# Altium PCB ZLS_MCU.PcbDoc (part 1 of 5) (continued)
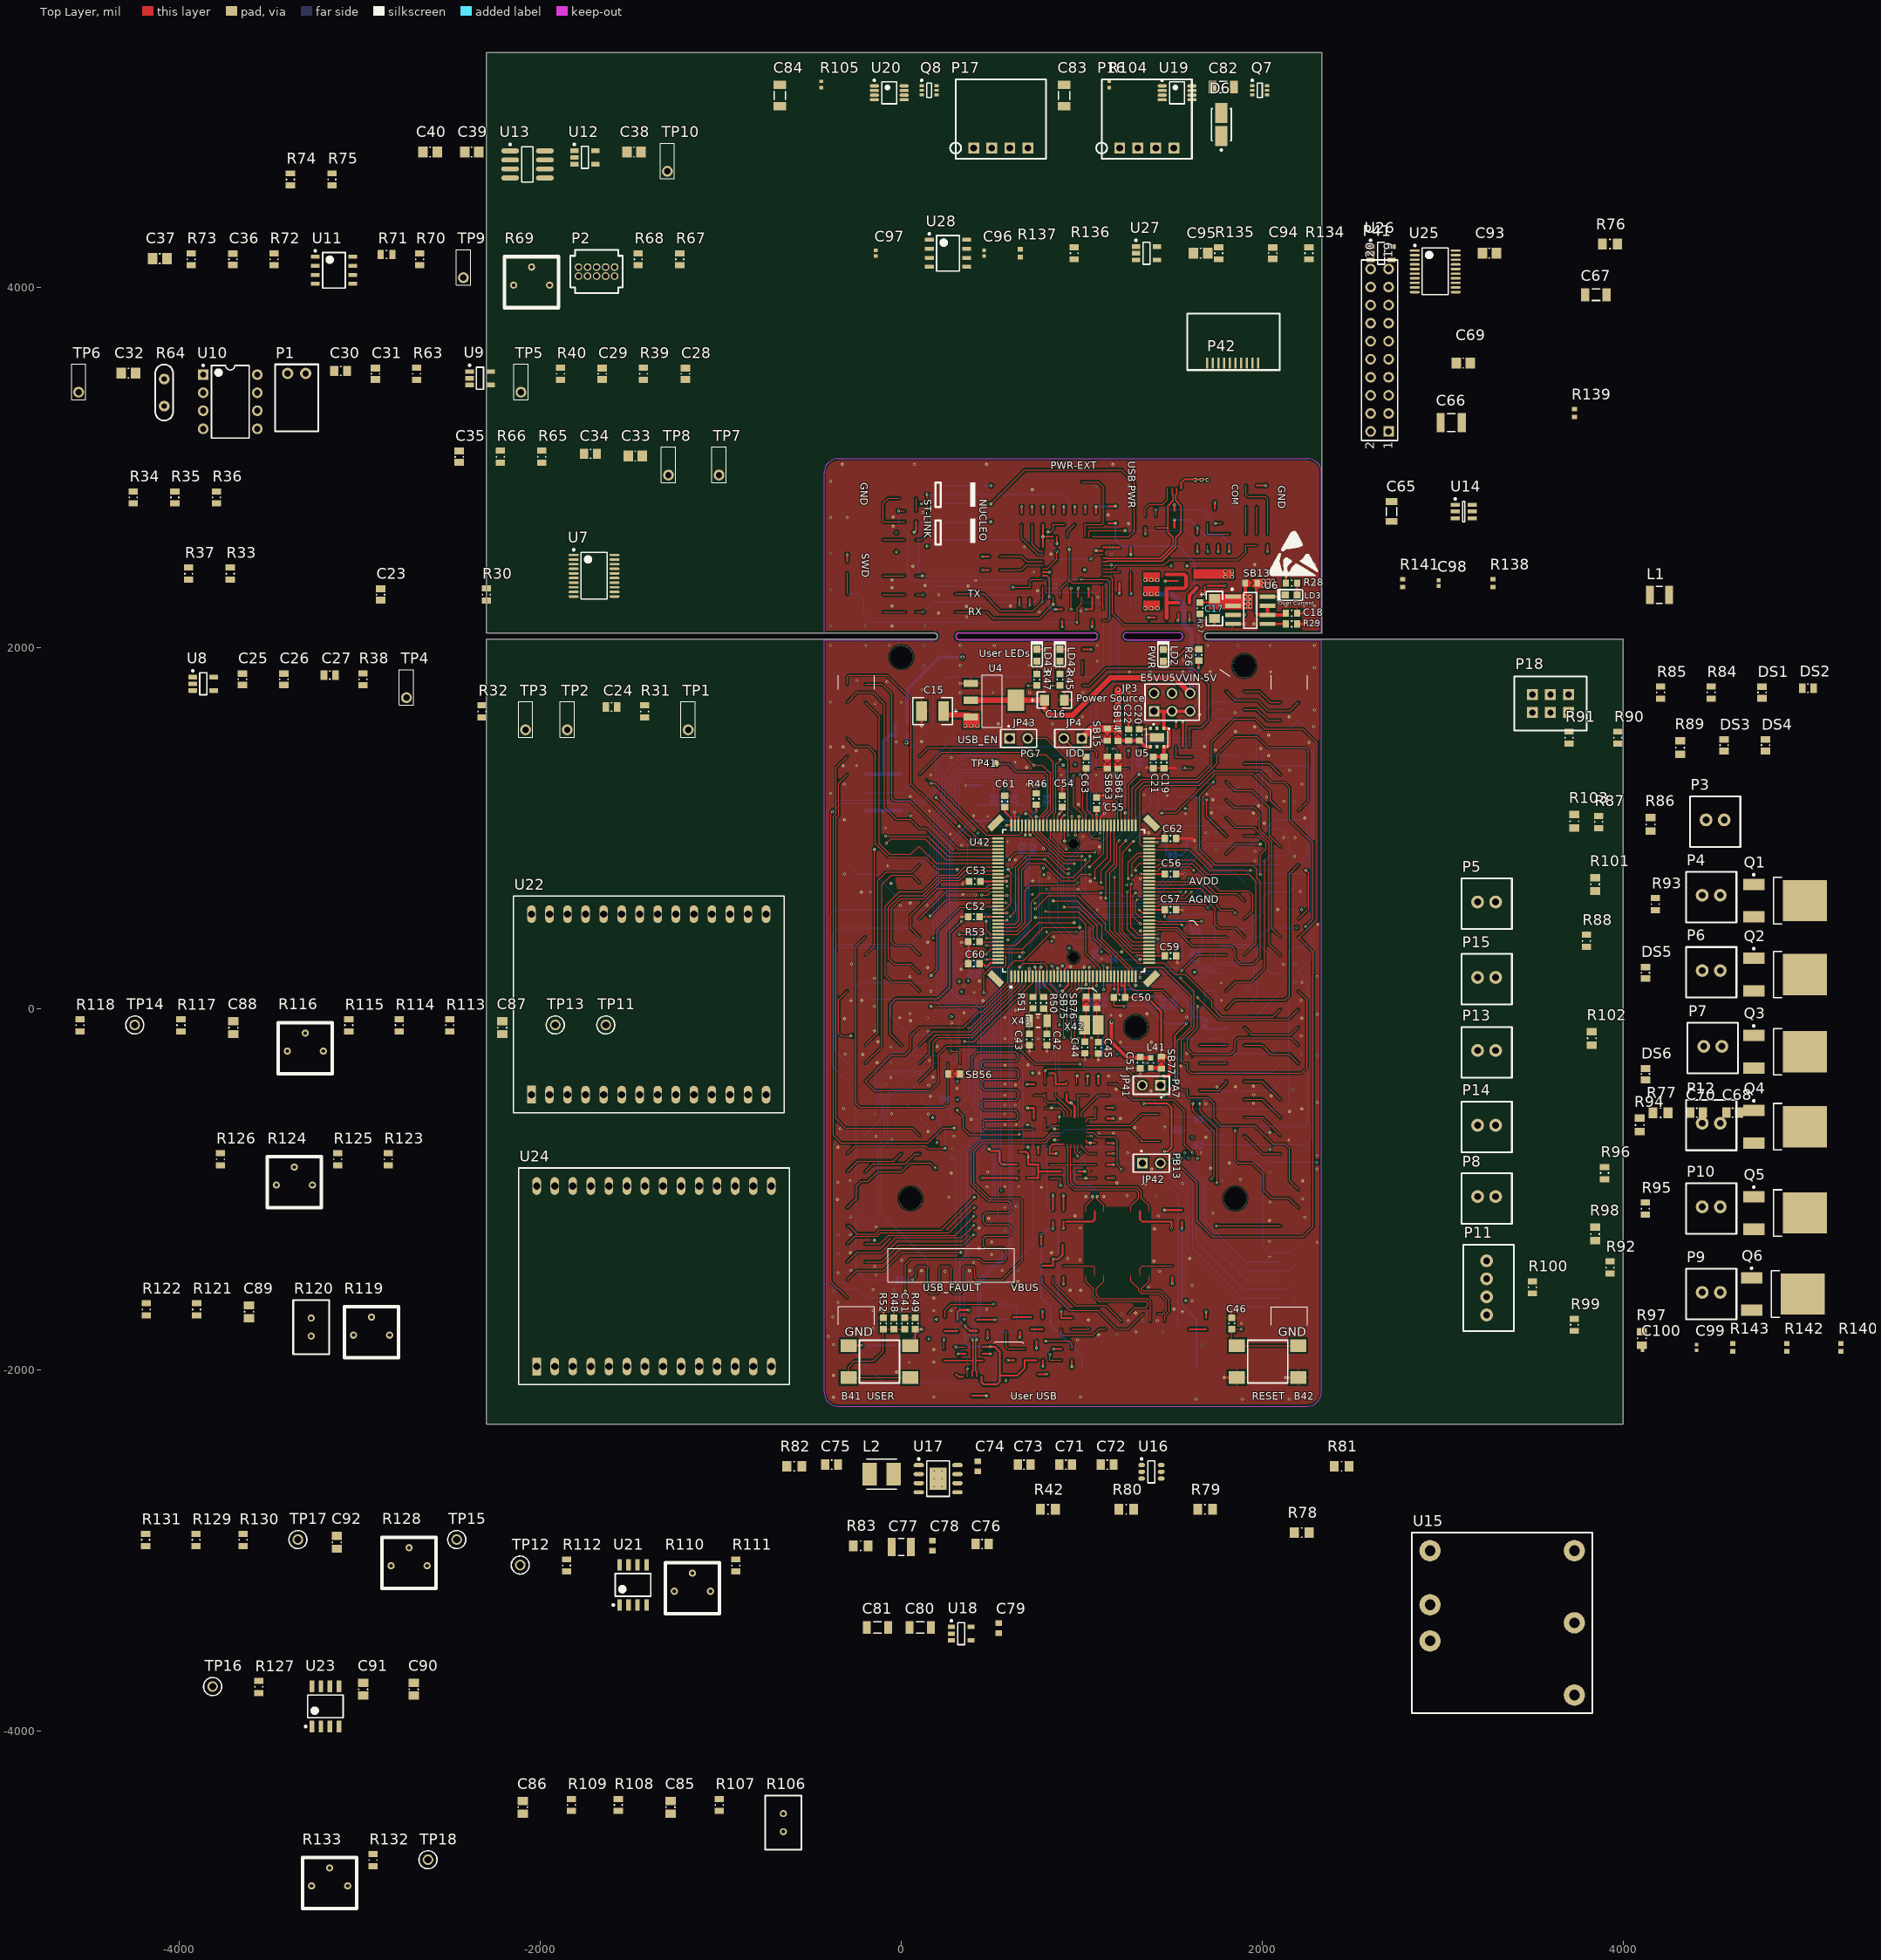
[diagram p0: Top Layer view]
## Components (designator, comment, footprint, x,y, rotation, side; value= is the part's Value field where it differs from the comment) (continued)
JP42 "" HDR_1x2_2R54_V_M_S 1335,-854 r0 top
JP43 "" HDR_1x2_2R54_V_M_S 600,1500 r0 top locked
L1 "47uH" C1210 4200,2294 r0 top
L2 "2.2uH" PA4332 -109.52,-2576.44 r0 top
L41 "BEAD" 0603L 1382,-298 r90 top value=100uH
LD2 "Green" 0603D-G 1451.04,1959.33 r270 top
LD3 "Red" 0603D-R 2160,2294 r0 top
LD42 "Blue" 0603D-B 879,1960 r270 top
LD43 "Red" 0603D-R 751,1960 r270 top
P1 "SSW-102-02-G-S-RA" SSW-102-02-G-S-RA -3401,3521.67 r0 top
P2 "FTSH-105-01-L-D-K" FTSH-105-01-XXX-D-K -1689,4085.67 r0 top
P3 "IPL1-102-01-F-S-K" IPL1-102-01-F-S-K 4509.23,1048.02 r0 top
P4 "IPL1-102-01-F-S-K" IPL1-102-01-F-S-K 4487.57,630.52 r0 top
P5 "IPL1-102-01-F-S-K" IPL1-102-01-F-S-K 3243.07,593.49 r0 top
P6 "IPL1-102-01-F-S-K" IPL1-102-01-F-S-K 4487.57,213.52 r0 top
P7 "IPL1-102-01-F-S-K" IPL1-102-01-F-S-K 4496.57,-206.38 r0 top
P8 "IPL1-102-01-F-S-K" IPL1-102-01-F-S-K 3243.07,-1038.51 r0 top
P9 "IPL1-102-01-F-S-K" IPL1-102-01-F-S-K 4487.57,-1569.34 r0 top
P10 "IPL1-102-01-F-S-K" IPL1-102-01-F-S-K 4487.57,-1095.48 r0 top
P11 "Header 4" IPL1-104-01-L-S-K 3243.07,-1544.51 r90 top
P12 "IPL1-102-01-F-S-K" IPL1-102-01-F-S-K 4487.57,-632.48 r0 top
P13 "IPL1-102-01-F-S-K" IPL1-102-01-F-S-K 3243.07,-229.51 r0 top
P14 "IPL1-102-01-F-S-K" IPL1-102-01-F-S-K 3243.07,-643.51 r0 top
P15 "IPL1-102-01-F-S-K" IPL1-102-01-F-S-K 3243.07,175.49 r0 top
P16 "IPL1-104-01-L-S-RA-K" IPL1-104-01-L-S-RA-K 1209.78,4770 r0 top
P17 "IPL1-104-01-L-S-RA-K" IPL1-104-01-L-S-RA-K 400.79,4770 r0 top
P18 "IPL1-103-01-F-D" IPL1-103-01-F-D 3496.57,1642.49 r0 top
P41 "ST-LINK" HDR2X10 2700,3200 r90 top
P42 "Header 10" FCS8-10-01-L-S-A-TR 1977.75,3579.41 r180 top
Q1 "NTD4804NT4G" ONSC-DPAK-3-369AA-01_V 4896.57,601.22 r0 top
Q2 "NTD4804NT4G" ONSC-DPAK-3-369AA-01_V 4896.57,191.52 r0 top
Q3 "NTD4804NT4G" ONSC-DPAK-3-369AA-01_V 4896.57,-236.48 r0 top
Q4 "NTD4804NT4G" ONSC-DPAK-3-369AA-01_V 4896.57,-651.48 r0 top
Q5 "NTD4804NT4G" ONSC-DPAK-3-369AA-01_V 4896.57,-1129.48 r0 top
Q6 "NTD4804NT4G" ONSC-DPAK-3-369AA-01_V 4884.57,-1578.51 r0 top
Q7 "MCH6336-TL-E" ONSC-MCPH-6_V 1985.79,5090 r0 top
Q8 "MCH6336-TL-E" ONSC-MCPH-6_V 153.79,5090 r0 top
R26 "1K" 0603R 1648,1962 r270 top value=10K
R27 "10K" 0603R 1655,2221 r270 top
R28 "1K" 0603R 2162,2360 r0 top
R29 "2K7" 0603R 2162,2134 r180 top value=10K
R30 "300k" RESC0805(2012)_L -2299.46,2296.83 r90 top
R31 "100k" RESC0805(2012)_L -1422.63,1649.16 r90 top
R32 "18.2k" RESC0805(2012)_L -2323.63,1649.16 r90 top
R33 "511k" RESC0805(2012)_L -3719,2412.31 r90 top
R34 "100k" RESC0805(2012)_L -4256,2834.67 r90 top
R35 "100k" RESC0805(2012)_L -4026,2834.67 r90 top
R36 "100k" RESC0805(2012)_L -3796,2834.67 r90 top
R37 "0" RESC0805(2012)_L -3949,2412.31 r90 top
R38 "100k" RESC0805(2012)_L -2983.63,1827.14 r90 top
R39 "DNP" RESC0805(2012)_L -1429,3519.67 r90 top value=0
R40 "33k" RESC0805(2012)_L -1889,3519.67 r90 top
R42 "10K" RESC0805(2012)_M 812.07,-2771 r0 top value=1K
R44 "100K" 0603R 1634,373 r0 bottom value=1K
R45 "680" 0603R 878,1824 r90 top value=1K
R46 "10K" 0603R 747,1164 r90 top
R47 "1K" 0603R 750.75,1823.97 r90 top
R48 "330" 0603R -41,-1742 r90 top value=1K
R49 "100" 0603R 77,-1742 r90 top value=1K
R50 "0" 0603R 788,35 r90 top value=1K
R51 "0" 0603R 729,35.25 r90 top value=1K
R52 "220K" 0603R -100,-1742 r90 top value=1K
R53 "10K" 0603R 402,373 r180 top value=1K
R63 "100k" RESC0805(2012)_L -2686,3519.67 r90 top
R64 "TBD" VH102K -4085,3340.67 r90 top
R65 "3.9k" RESC0805(2012)_L -1992.63,3060.32 r90 top
R66 "7.5k" RESC0805(2012)_L -2221.63,3060.32 r90 top
R67 "0" RESC0805(2012)_L -1228,4153.67 r90 top
R68 "DNP" RESC0805(2012)_L -1458,4153.67 r90 top value=0
R69 "TRIMMER 5K OHM 0.25W PC PIN" "Trimmer 2.54" -2149,4010.67 r0 top
R70 "7.5k" RESC0805(2012)_L -2669,4153.67 r90 top
R71 "DNP" RESC0805(2012)_L -2853,4179.67 r0 top value=0
R72 "3.9k" RESC0805(2012)_L -3477,4153.67 r90 top
R73 "0" RESC0805(2012)_L -3936,4153.67 r90 top
R74 "1M" RESC0805(2012)_L -3385.8,4596.27 r90 top
R75 "1M" RESC0805(2012)_L -3155.8,4596.27 r90 top
R76 "RES SMD 280K OHM 1% 1/8W 0805" RESC0805(2012)_M 3926.1,4238.31 r0 top
R77 "RES SMD 10K OHM 1% 1/8W 0805" RESC0805(2012)_M 4206.73,-574.15 r0 top
R78 "DNP" RESC0805(2012)_M 2218.48,-2900 r0 top
R79 "DNP" RESC0805(2012)_M 1683.07,-2771 r0 top
R80 "RES SMD 100K OHM 1% 1/8W 0805" RESC0805(2012)_M 1246.07,-2771 r0 top
R81 "DNP" RESC0805(2012)_M 2439.48,-2533.44 r0 top
R82 "88.7K" RESC0805(2012)_M -593.52,-2533.44 r0 top
R83 "22.1K" RESC0805(2012)_M -225.52,-2973.32 r0 top
R84 "" RESC0805(2012)_L 4487.57,1753.98 r90 top
R85 "" RESC0805(2012)_L 4207.57,1753.98 r90 top
R86 "6K98 1% 0805(2012)" RESC0805(2012)_N 4151.47,1023.29 r90 top
R87 "" RESC0805(2012)_L 3863.47,1036.29 r90 top
R88 "" RESC0805(2012)_L 3796.57,378.02 r90 top
R89 "6K98 1% 0805(2012)" RESC0805(2012)_N 4315.26,1448.52 r90 top
R90 "" RESC0805(2012)_L 3970,1503.54 r90 top
R91 "" RESC0805(2012)_L 3700,1503.54 r90 top
R92 "" RESC0805(2012)_L 3926.1,-1431.48 r90 top
R93 "" RESC0805(2012)_L 4178.05,581.51 r90 top
R94 "6K98 1% 0805(2012)" RESC0805(2012)_N 4091.48,-641.98 r90 top
R95 "" RESC0805(2012)_L 4122.97,-1105.48 r90 top
R96 "" RESC0805(2012)_L 3896.57,-908.73 r90 top
R97 "6K98 1% 0805(2012)" RESC0805(2012)_N 4103.29,-1823.98 r90 top
R98 "6K98 1% 0805(2012)" RESC0805(2012)_N 3843.79,-1245.48 r90 top
R99 "" RESC0805(2012)_L 3729.53,-1749.08 r90 top
R100 "" RESC0805(2012)_L 3496.57,-1541.48 r90 top
R101 "6K98 1% 0805(2012)" RESC0805(2012)_N 3843.79,691.38 r90 top
R102 "6K98 1% 0805(2012)" RESC0805(2012)_N 3826.1,-162.48 r90 top
R103 "6K98 1% 0805(2012)" RESC0805(2012)_N 3729.53,1040.52 r90 top
R104 "560k" RESC0402(1005)_L 1151.79,5122 r90 top
R105 "560k" RESC0402(1005)_L -443.21,5122 r90 top
R106 "KTY81-120" KTY81-120 -654,-4557 r90 top
R107 "10k" RESC0805(2012)_L -1009,-4409 r90 top
R108 "1K" RESC0805(2012)_L -1569,-4409 r90 top
R109 "10k" RESC0805(2012)_L -1828,-4409 r90 top
R110 "100K" "Trimmer 2.54" -1258,-3225.15 r0 top
R111 "24.3K" RESC0805(2012)_L -917,-3082.15 r90 top
R112 "DNP" RESC0805(2012)_L -1856,-3082.15 r90 top
R113 "10k" RESC0805(2012)_L -2502,-90 r90 top
R114 "1.21k" RESC0805(2012)_L -2782,-90 r90 top
R115 "DNP" RESC0805(2012)_L -3062,-90 r90 top
R116 "100K" "Trimmer 2.54" -3403,-233 r0 top
R117 "DNP" RESC0805(2012)_L -3992,-90 r90 top
R118 "10k" RESC0805(2012)_L -4552,-90 r90 top
R119 "500K" "Trimmer 2.54" -3036.07,-1806.5 r0 top
R120 "KTY81-120" KTY81-120 -3270.07,-1811.5 r90 top
R121 "1K" RESC0805(2012)_L -3905.07,-1663.5 r90 top
R122 "10k" RESC0805(2012)_L -4185.07,-1663.5 r90 top
R123 "10k" RESC0805(2012)_L -2843.6,-832 r90 top
R124 "100K" "Trimmer 2.54" -3463.6,-975 r0 top
R125 "24.3K" RESC0805(2012)_L -3123.6,-832 r90 top
R126 "DNP" RESC0805(2012)_L -3773.6,-832 r90 top
R127 "DNP" RESC0805(2012)_L -3560.64,-3754.99 r90 top
R128 "100K" "Trimmer 2.54" -2828,-3084 r0 top
R129 "DNP" RESC0805(2012)_L -3908,-2941 r90 top
R130 "10k" RESC0805(2012)_L -3648,-2941 r90 top
R131 "1.21k" RESC0805(2012)_L -4188,-2941 r90 top
R132 "10k" RESC0805(2012)_L -2927.32,-4714.6 r90 top
R133 "500K" "Trimmer 2.54" -3268.32,-4857.6 r0 top
R134 "100" RESC0805(2012)_L 2258.25,4187.13 r90 top
R135 "47k" RESC0805(2012)_L 1758.25,4187.13 r90 top
R136 "100" RESC0805(2012)_L 958.25,4187.13 r90 top
R137 "" RESC0402(1005)_M 658.25,4187.13 r90 top
R138 "100" RESC0402(1005)_M 3277.3,2360 r90 top
R139 "" RESC0402(1005)_M 3729.53,3302.36 r90 top
R140 "" RESC0402(1005)_M 5206.73,-1874.15 r90 top
R141 "" RESC0402(1005)_M 2777.3,2360 r90 top
R142 "" RESC0402(1005)_M 4906.73,-1874.15 r90 top
R143 "" RESC0402(1005)_M 4606.73,-1874.15 r90 top
SB13 "Open" SB_0603 1939,2360 r180 top
SB14 "Closed" SB_0603 1200,1519 r270 top
SB15 "Closed" SB_0603 1141,1520 r90 top locked
SB55 "Open" SB_0603 1529,-672 r180 bottom
SB56 "Closed" SB_0603 292,-359 r0 top
SB57 "Open" SB_0603 1634,432 r0 bottom locked
SB58 "Closed" SB_0603 1062,36 r270 bottom
SB59 "Open" SB_0603 1634,314 r0 bottom locked
SB60 "Closed" SB_0603 402.25,427 r0 bottom
SB61 "Closed" SB_0603 1200,1366.25 r90 top
SB62 "Circuit Breaker" SB_0603 806,1164 r90 bottom
SB63 "Closed" SB_0603 1141,1366.25 r90 top
SB64 "Circuit Breaker" SB_0603 628.42,1164 r90 bottom
SB65 "Closed" SB_0603 728,891.75 r270 bottom
SB66 "Closed" SB_0603 668.57,891.75 r270 bottom
SB67 "Closed" SB_0603 1318,1366.25 r270 bottom
SB68 "Closed" SB_0603 1121,35.81 r270 bottom
SB69 "Closed" SB_0603 1647,-613 r180 bottom
SB70 "Closed" SB_0603 1647,-755 r180 bottom
SB71 "Closed" SB_0603 242,-500 r0 bottom
SB72 "Closed" SB_0603 -8,-1600 r180 bottom
SB73 "Closed" SB_0603 -8,-1500 r180 bottom
SB74 "Closed" SB_0603 1072.7,305 r90 bottom
SB75 "Open" SB_0603 1024,36 r270 top locked
SB76 "Open" SB_0603 1083,36 r270 top locked
SB77 "Closed" SB_0603 1440,-296.55 r270 top
SB78 "Circuit Breaker" SB_0603 511,1164 r270 bottom
SB79 "Circuit Breaker" SB_0603 570,1164 r270 bottom
SB80 "Closed" SB_0603 779.7,137 r0 bottom
SB81 "Circuit Breaker" SB_0603 1502,853 r180 bottom
SB82 "Circuit Breaker" SB_0603 401.94,192.83 r0 bottom
SB83 "Circuit Breaker" SB_0603 401.94,251.83 r0 bottom
SB84 "Closed" SB_0603 1172,276 r0 bottom
SB85 "Circuit Breaker" SB_0603 1450,35.7 r90 bottom
SB86 "Circuit Breaker" SB_0603 1509,35.7 r90 bottom
SB87 "Closed" SB_0603 1680,-79 r270 bottom
TP1 "TP-TH-C-152-H90" TP-TH-C-152-H90 -1181.63,1547.16 r90 top
TP2 "TP-TH-C-152-H90" TP-TH-C-152-H90 -1851.63,1547.16 r90 top
TP3 "TP-TH-C-152-H90" TP-TH-C-152-H90 -2082.63,1547.16 r90 top
TP4 "TP-TH-C-152-H90" TP-TH-C-152-H90 -2742.63,1725.14 r90 top
TP5 "TP-TH-C-152-H90" TP-TH-C-152-H90 -2108,3417.67 r90 top
TP6 "TP-TH-C-152-H90" TP-TH-C-152-H90 -4559,3417.67 r90 top
TP7 "TP-TH-C-152-H90" TP-TH-C-152-H90 -1010.63,2958.32 r90 top
TP8 "TP-TH-C-152-H90" TP-TH-C-152-H90 -1290.63,2958.32 r90 top
TP9 "TP-TH-C-152-H90" TP-TH-C-152-H90 -2427,4051.67 r90 top
TP10 "TP-TH-C-152-H90" TP-TH-C-152-H90 -1296.9,4641.34 r90 top
TP11 "DNP" KSTN-5003 -1638,-88 r90 top
TP12 "DNP" KSTN-5003 -2112,-3080.15 r90 top
TP13 "DNP" KSTN-5003 -1918,-88 r90 top
TP14 "DNP" KSTN-5003 -4248,-88 r90 top
TP15 "DNP" KSTN-5003 -2464,-2939 r90 top
TP16 "DNP" KSTN-5003 -3816.64,-3752.99 r90 top
TP17 "DNP" KSTN-5003 -3344,-2939 r0 top
TP18 "DNP" KSTN-5003 -2623.32,-4712.6 r90 top
TP41 "USB_SOF" TP 522,1361 r0 top
U4 "LD1117S50TR" SOT-223 510,1711 r0 top
U5 "LD39050PU33R" DFN6_0R95_3x3_TP 1417,1504 r180 top
U6 "ST890CDR" SOIC8_1R27_4R9X6 1933,2209 r0 top locked
U7 "MAX333CWP+" TSOP65P640X90-20N -1702.94,2400.79 r0 top
U8 "OPA188AIDBVR" DBV0005A_M -3868.63,1802.14 r0 top
U9 "OPA188AIDBVR" DBV0005A_M -2335,3494.67 r0 top
U10 "AD584KNZ" ADI-N-8 -3719,3364.67 r0 top
U11 "OPA2188AIDR" D0008A_L -3144,4092.67 r0 top
U12 "OPA188AIDBVR" DBV0005A_M -1753.9,4718.34 r0 top
U13 "ADR4550BRZ-R7" ADI-R-8_M -2071.9,4679.34 r0 top
U14 "LT3461" LT-S6-6-TSOT-23_N 3116.33,2756.2 r0 top
U15 "CCG30-24-12S" PXB15-24WD05/N 3729.53,-3400 r0 top
U16 "LM2776DBVR" LM2776DBVR 1385.48,-2563.44 r0 top
U17 "LMR23625CFDDAR" LMR23625CDDAR 203.48,-2601.44 r0 top
U18 "TLV70233DBVR" DBV0005A_N 331.53,-3460.04 r0 top
U19 "LTC4414EMS8#TRPBF" LT-MS8-8_L 1527.79,5076 r0 top
U20 "LTC4414EMS8#TRPBF" LT-MS8-8_L -67.21,5076 r0 top
U21 "LPC662AIM" D0008A_M -1487,-3190.15 r90 top
U22 "SA40012" SA40012 -2050,-474 r90 top
U23 "LPC662AIM" D0008A_M -3191.64,-3862.99 r90 top
U24 "SA40012" SA40012 -2021,-1980 r90 top
U25 "MAX333CWP+" TSOP65P640X90-20N 2958.25,4087.13 r0 top
U26 "OPA188AIDBVR" DBV0005A_M 2658.25,4187.13 r0 top
U27 "OPA188AIDBVR" DBV0005A_M 1358.25,4187.13 r0 top
U28 "LMC662CM" D0008A_L 258.25,4187.13 r0 top
U42 "MCU_LQFP144" LQFP144_0R5_SKT 954,600 r0 top locked
X41 "NX3215SA-32.768KHZ-EXS00A-MU00525" XTAL_2SM_3R2X1R5 758,-65 r180 top
X42 "NX3225GD-8.000M-EXS00A-CG04874[N/A]" OSC_2SM_3R2x2R5 1053,-88 r180 top

## Footprints (in the part's own frame and the unit in brackets; to place one, negate y for a bottom-side part, rotate by r counter-clockwise, add the part's x,y. Pads: shape width x height; smd on the part's side, far side on the other; paste and mask are expansions set on the pad)
0603C [mm] "Chip Capacitor, Body 1.6x0.8mm, Height 1.0mm, IPC Medium Density"
  rect 0.9x1 smd: 1(-0.8,0) 2(0.8,0)
  silkscreen extent -0.05,-0.4 0.05,0.4, body extent -0.87,-0.48 0.88,0.47, height 1
0603D-B [mm] "LED, SMT, Body 1.6 x 0.8 mm, 0.25mm Thickness"
  rect 1x1 smd paste+0 mask+0: 1(0.85,0) 2(-0.85,0)
  silkscreen extent -1.99,-0.85 1.6,0.85, body extent -0.8,-0.4 0.8,0.4, height 0.25
0603D-G [mm] "LED, SMT, Body 1.6 x 0.8 mm, 0.25mm Thickness"
  rect 1x1 smd paste+0 mask+0: 1(0.85,0) 2(-0.85,0)
  silkscreen extent -1.98,-0.85 1.6,0.85, body extent -0.8,-0.4 0.8,0.4, height 0.25
0603D-R [mm] "LED, SMT, Body 1.6 x 0.8 mm, 0.25mm Thickness"
  rect 1x1 smd paste+0 mask+0: 1(0.85,0) 2(-0.85,0)
  silkscreen extent -1.97,-0.86 1.6,0.84, body extent -0.8,-0.4 0.8,0.4, height 0.25
0603L [mil] "Bead 0603L"
  rect 30x30 smd: 1(27.5,0) 2(-27.5,0)
  silkscreen extent -2,-16 2,16, body extent -34,-19 34,19, height 24
0603R [mm] "Chip Resistor, Body 1.6x0.8mm, IPC Medium Density"
  rect 0.9x1 smd: 1(-0.8,0) 2(0.8,0)
  silkscreen extent -0.05,-0.4 0.05,0.4, body extent -0.85,-0.47 0.85,0.47, height 0.6
0805C_L [mm]
  rect 0.95x1.35 smd: 1(-0.8,0) 2(0.8,0)
  silkscreen extent -0.05,-0.58 0.05,0.58, body extent -1.1,-0.72 1.1,0.72, height 0.75
1608[0603] [mm] "Chip Capacitor, Body 1.6x0.8mm, IPC High Density"
  rect 0.8x0.9 smd: 1(-0.7,0) 2(0.7,0)
  body extent -0.87,-0.48 0.87,0.48, height 1.3
ADI-N-8 [mm] "DIP, 8-Leads, Body 9.59x6.6mm, Pitch 2.54mm"
  rect 1.5x1.5 hole 0.9: 1(-3.81,3.81)
  round 1.5 hole 0.9: 2(-3.81,1.27) 3(-3.81,-1.27) 4(-3.81,-3.81) 5(3.81,-3.81) 6(3.81,-1.27) 7(3.81,1.27) 8(3.81,3.81)
  silkscreen extent -3.93,-5.1 2.65,5.23, body extent -3.95,-5.07 3.95,5.07, height 5.33
ADI-R-8_M [mm] "SOIC, 8-Leads, Body 4.9x3.9mm, Pitch 1.27mm, IPC Low Density"
  oval 2.5x0.7 smd: 1(-2.45,1.905) 2(-2.45,0.635) 3(-2.45,-0.635) 4(-2.45,-1.905) 5(2.45,-1.905) 6(2.45,-0.635) 7(2.45,0.635) 8(2.45,1.905)
  silkscreen extent -2.57,-2.5 0.8,2.93, body extent -2,-2.5 2,2.5, height 1.75
C1210 [mm] "Chip Capacitor, Body 3.2x2.5mm, IPC High Density"
  rect 1.1x2.6 smd: 1(-1.35,0) 2(1.35,0)
  silkscreen extent -0.4,-1.2 0.4,1.2, body extent -1.7,-1.35 1.7,1.35, height 1.3
CAPC0402(1005)60_L [mm] "Chip Capacitor, Body 1.0x0.5mm, Height 0.6mm, IPC High Density"
  rect 0.52x0.52 smd: 1(-0.4,0) 2(0.4,0)
  body extent -0.55,-0.3 0.55,0.3, height 0.6
CAPC0805(2012)75_L [mm] "Chip Capacitor, Body 2.0x1.2mm, Height 0.75mm, IPC High Density"
  rect 0.95x1.35 smd: 1(-0.8,0) 2(0.8,0)
  silkscreen extent -0.05,-0.58 0.05,0.58, body extent -1.1,-0.72 1.1,0.72, height 0.75
CAPC0805(2012)75_M [mm] "Chip Capacitor, Body 2.0x1.2mm, Height 0.75mm, IPC Low Density"
  rect 1.35x1.55 smd: 1(-1,0) 2(1,0)
  silkscreen extent -0.05,-0.67 0.05,0.67, body extent -1.1,-0.72 1.1,0.72, height 0.75
CAPC0805(2012)145_M [mm] "Chip Capacitor, Body 2.0x1.2mm, Height 1.45mm, IPC Low Density"
  rect 1.35x1.55 smd: 1(-1,0) 2(1,0)
  silkscreen extent -0.05,-0.67 0.05,0.67, body extent -1.1,-0.72 1.1,0.72, height 1.45
CAPC0805(2012)145_N [mm] "Chip Capacitor, Body 2.0x1.2mm, Height 1.45mm, IPC Medium Density"
  rect 1.15x1.45 smd: 1(-0.9,0) 2(0.9,0)
  silkscreen extent -0.05,-0.62 0.05,0.63, body extent -1.1,-0.72 1.1,0.73, height 1.45
CAPC0805(2012)155_L [mm] "Chip Capacitor, Body 2.0x1.2mm, Height 1.55mm, IPC High Density"
  rect 0.95x1.35 smd: 1(-0.8,0) 2(0.8,0)
  silkscreen extent -0.05,-0.58 0.05,0.58, body extent -1.1,-0.72 1.1,0.72, height 1.55
CAPC1206(3216)130_N [mm] "Chip Capacitor, Body 3.2x1.6mm, Height 1.3mm, IPC Medium Density"
  rect 1.15x1.8 smd: 1(-1.5,0) 2(1.5,0)
  silkscreen extent -0.55,-0.8 0.55,0.8, body extent -1.7,-0.9 1.7,0.9, height 1.3
CAPC1206(3216)170_L [mm] "Chip Capacitor, Body 3.2x1.6mm, Height 1.7mm, IPC High Density"
  rect 0.95x1.7 smd: 1(-1.4,0) 2(1.4,0)
  silkscreen extent -0.55,-0.75 0.55,0.75, body extent -1.7,-0.9 1.7,0.9, height 1.7
CAPC1206(3216)190_N [mm] "Chip Capacitor, Body 3.2x1.6mm, Height 1.9mm, IPC Medium Density"
  rect 1.15x1.8 smd: 1(-1.5,0) 2(1.5,0)
  silkscreen extent -0.55,-0.8 0.55,0.8, body extent -1.7,-0.9 1.7,0.9, height 1.9
CAPC1210(3225)100_N [mm] "Chip Capacitor, Body 3.2x2.5mm, Height 1mm, IPC Medium Density"
  rect 1.15x2.7 smd: 1(-1.5,0) 2(1.5,0)
  silkscreen extent -0.55,-1.25 0.55,1.25, body extent -1.7,-1.35 1.7,1.35, height 1
D0008A_L [mm] "SOIC, 8-Leads, Body 5x4mm, Pitch 1.27mm, IPC High Density"
  rrect18% 1.25x0.55 smd: 1(-2.625,1.905) 2(-2.625,0.635) 3(-2.625,-0.635) 4(-2.625,-1.905) 5(2.625,-1.905) 6(2.625,-0.635) 7(2.625,0.635) 8(2.625,1.905)
  silkscreen extent -2.75,-2.5 1.6,2.85, body extent -3,-2.45 3,2.45, height 1.63
D0008A_M [mm] "SOIC, 8-Leads, Body 5x4mm, Pitch 1.27mm, IPC Low Density"
  rrect15% 1.65x0.65 smd: 1(-2.825,1.905) 2(-2.825,0.635) 3(-2.825,-0.635) 4(-2.825,-1.905) 5(2.825,-1.905) 6(2.825,-0.635) 7(2.825,0.635) 8(2.825,1.905)
  silkscreen extent -2.95,-2.5 1.6,2.9, body extent -3,-2.45 3,2.45, height 1.63
DBV0005A_M [mm] "SOT23, 5-Leads, Body 3.05x1.75mm, Pitch 0.95mm, IPC Low Density"
  rrect15% 1.2x0.65 smd: 1(-1.475,0.95) 2(-1.475,0) 3(-1.475,-0.95) 4(1.475,-0.95) 5(1.475,0.95)
  silkscreen extent -1.6,-1.55 0.5,1.95, body extent -1.42,-1.46 1.42,1.46, height 1.08
DBV0005A_N [mm] "SOT23, 5-Leads, Body 3.05x1.75mm, Pitch 0.95mm, IPC Medium Density"
  rrect17% 1x0.6 smd: 1(-1.375,0.95) 2(-1.375,0) 3(-1.375,-0.95) 4(1.375,-0.95) 5(1.375,0.95)
  silkscreen extent -1.5,-1.55 0.5,1.92, body extent -1.42,-1.46 1.42,1.46, height 1.08
DFN6_0R95_3x3_TP [mm] "500 mA low quiescent current and low noise voltage regulator"
  rect 2x1.2 smd: 0(0,0)
  rect 0.45x0.5 smd: 1(-0.95,-1.3) 2(0,-1.3) 3(0.95,-1.3) 4(0.95,1.3) 5(0,1.3) 6(-0.95,1.3)
  silkscreen extent -1.71,-1.33 1.5,1.3, body extent -1.5,-1.5 1.5,1.5, height 1
FCS8-10-01-L-S-A-TR [mm] "CONN MULTI-PURP RCPT 10P R/A SMD"
  rect 0.3x1.524 smd: 1(0,0) 2(0.8,0) 3(1.6,0) 4(2.4,0) 5(3.2,0) 6(4,0) 7(4.8,0) 8(5.6,0) 9(6.4,0) 10(7.2,0)
  silkscreen extent -3,-6.95 10,1
FTSH-105-01-XXX-D-K [mil]
  round 42 hole 28 mask+3: 1(-100,-25) 2(-100,25) 3(-50,-25) 4(-50,25) 5(0,-25) 6(0,25) 7(50,-25) 8(50,25) 9(100,-25) 10(100,25)
  silkscreen extent -145,-120 145,120
HDR2X10 [mm] "Connector; Header; 10x2 Position"
  rect 1.5x1.5 hole 0.9: 1(0,0)
  round 1.5 hole 0.9: 2(0,2.54) 3(2.54,0) 4(2.54,2.54) 5(5.08,0) 6(5.08,2.54) 7(7.62,0) 8(7.62,2.54) 9(10.16,0) 10(10.16,2.54) 11(12.7,0) 12(12.7,2.54) 13(15.24,0) 14(15.24,2.54) 15(17.78,0) 16(17.78,2.54) 17(20.32,0) 18(20.32,2.54) 19(22.86,0) 20(22.86,2.54)
  silkscreen extent -1.27,-1.27 24.13,3.81
HDR_1x2_2R54_V_M_S [mm] "Male Header, Pitch 2.54mm, 4x1 Position, Mated Height 6mm, Tail Length 3mm"
  rect 1.5x1.5 hole 1.02: 1(0,0)
  round 1.5 hole 1.02: 2(2.54,0)
  silkscreen extent -1.27,-1.27 3.81,1.76, body extent -1.27,-1.27 3.81,1.27, height 9
HDR_3x2_2R54_V_M [mm] "Male Header, Pitch 2.54mm, 2x3 Position, Mated Height 6mm, Tail Length 3mm"
  rect 1.5x1.5 hole 1.02: 1(0,0)
  round 1.5 hole 1.02: 2(0,2.54) 3(2.54,0) 4(2.54,2.54) 5(5.08,0) 6(5.08,2.54)
  silkscreen extent -1.27,-1.89 6.35,3.81, body extent -1.27,-1.27 6.35,3.81, height 9
IPL1-102-01-F-S-K [mm]
  round 1.8 hole 0.95: 1(-1.27,0) 2(1.27,0)
  silkscreen extent -3.56,-3.81 3.56,3.3, body extent -3.3,-3.56 3.3,3.05, height 8.13
IPL1-103-01-F-D [mil]
  rect 60x60 hole 35.43: 1(0,0) 2(0,100) 3(100,0) 4(100,100) 5(200,0) 6(200,100)
  silkscreen extent -100,-100 300,200, body extent -100,-100 280,210, height 320
IPL1-104-01-L-S-K [mm]
  round 1.8 hole 0.95: 1(-3.81,0) 2(-1.27,0) 3(1.27,0) 4(3.81,0)
  silkscreen extent -6.1,-3.81 6.1,3.3, body extent -5.84,-3.3 5.84,3.3, height 8.13
IPL1-104-01-L-S-RA-K [mil]
  rect 60x60 hole 37.4: 1(0,0) 2(100,0) 3(200,0) 4(300,0)
  silkscreen extent -130,-59 400,380, body extent -80,-12 380,380, height 258
KSTN-5003 [mm] "Test Point, Through Hole, Dia 2.54mm"
  round 1.5 hole 1: 1(0,0)
  silkscreen extent -1.27,-1.27 1.27,1.27, body extent -1.27,-1.27 1.27,1.27, height 4.57
KTY81-120 [mm] "THERMISTOR"
  round 1 hole 0.55: 1(0,0) 2(2.54,0)
  silkscreen extent -2.54,-2.54 5.08,2.54
LM2776DBVR [mm]
  oval 0.95x0.6 smd: 1(-1.375,0.95) 2(-1.375,0) 3(-1.375,-0.95) 4(1.375,-0.95) 5(1.375,0) 6(1.375,0.95)
  silkscreen extent -1.5,-1.55 0.5,1.92, body extent -1.39,-1.55 1.39,1.55, height 1.45
LMR23625CDDAR [mm] "IC REG BUCK ADJ 2.5A SYNC 8SOPWR"
  oval 1.45x0.6 smd: 1(-2.725,1.905) 2(-2.725,0.635) 3(-2.725,-0.635) 4(-2.725,-1.905) 5(2.725,-1.905) 6(2.725,-0.635) 7(2.725,0.635) 8(2.725,1.905)
  rect 2.4x3.1 smd: 9(0,0)
  silkscreen extent -2.85,-2.5 1.6,2.88, body extent -3,-2.5 3,2.5, height 1.7
LQFP144_0R5_SKT [mm] "32-bit MCU ARM-based Cortex-M3 20 X 20mm, 0.5mm Pitch, 1.6mm Max thickness"
  rect 1x2.5 smd rot 45: 0(-10.96,-10.96) 0(10.96,10.96)
  rect 1x2.5 smd rot 135: 0(-10.96,10.96) 0(10.96,-10.96)
  round 1.5 hole 1.5 unplated: 0(0,-8) 0(0,8)
  rect 0.3x1.65 smd: 1(-8.75,-10.625) 2(-8.25,-10.625) 3(-7.75,-10.625) 4(-7.25,-10.625) 5(-6.75,-10.625) 6(-6.25,-10.625) 7(-5.75,-10.625) 8(-5.25,-10.625) 9(-4.75,-10.625) 10(-4.25,-10.625) 11(-3.75,-10.625) 12(-3.25,-10.625) 13(-2.75,-10.625) 14(-2.25,-10.625) 15(-1.75,-10.625) 16(-1.25,-10.625) 17(-0.75,-10.625) 18(-0.25,-10.625) 19(0.25,-10.625) 20(0.75,-10.625) 21(1.25,-10.625) 22(1.75,-10.625) 23(2.25,-10.625) 24(2.75,-10.625) 25(3.25,-10.625) 26(3.75,-10.625) 27(4.25,-10.625) 28(4.75,-10.625) 29(5.25,-10.625) 30(5.75,-10.625) 31(6.25,-10.625) 32(6.75,-10.625) 33(7.25,-10.625) 34(7.75,-10.625) 35(8.25,-10.625) 36(8.75,-10.625) 73(8.75,10.625) 74(8.25,10.625) 75(7.75,10.625) 76(7.25,10.625) 77(6.75,10.625) 78(6.25,10.625) 79(5.75,10.625) 80(5.25,10.625) 81(4.75,10.625) 82(4.25,10.625) 83(3.75,10.625) 84(3.25,10.625) 85(2.75,10.625) 86(2.25,10.625) 87(1.75,10.625) 88(1.25,10.625) 89(0.75,10.625) 90(0.25,10.625) 91(-0.25,10.625) 92(-0.75,10.625) 93(-1.25,10.625) 94(-1.75,10.625) 95(-2.25,10.625) 96(-2.75,10.625) 97(-3.25,10.625) 98(-3.75,10.625) 99(-4.25,10.625) 100(-4.75,10.625) 101(-5.25,10.625) 102(-5.75,10.625) 103(-6.25,10.625) 104(-6.75,10.625) 105(-7.25,10.625) 106(-7.75,10.625) 107(-8.25,10.625) 108(-8.75,10.625)
  rect 1.65x0.3 smd: 37(10.625,-8.75) 38(10.625,-8.25) 39(10.625,-7.75) 40(10.625,-7.25) 41(10.625,-6.75) 42(10.625,-6.25) 43(10.625,-5.75) 44(10.625,-5.25) 45(10.625,-4.75) 46(10.625,-4.25) 47(10.625,-3.75) 48(10.625,-3.25) 49(10.625,-2.75) 50(10.625,-2.25) 51(10.625,-1.75) 52(10.625,-1.25) 53(10.625,-0.75) 54(10.625,-0.25) 55(10.625,0.25) 56(10.625,0.75) 57(10.625,1.25) 58(10.625,1.75) 59(10.625,2.25) 60(10.625,2.75) 61(10.625,3.25) 62(10.625,3.75) 63(10.625,4.25) 64(10.625,4.75) 65(10.625,5.25) 66(10.625,5.75) 67(10.625,6.25) 68(10.625,6.75) 69(10.625,7.25) 70(10.625,7.75) 71(10.625,8.25) 72(10.625,8.75) 109(-10.625,8.75) 110(-10.625,8.25) 111(-10.625,7.75) 112(-10.625,7.25) 113(-10.625,6.75) 114(-10.625,6.25) 115(-10.625,5.75) 116(-10.625,5.25) 117(-10.625,4.75) 118(-10.625,4.25) 119(-10.625,3.75) 120(-10.625,3.25) 121(-10.625,2.75) 122(-10.625,2.25) 123(-10.625,1.75) 124(-10.625,1.25) 125(-10.625,0.75) 126(-10.625,0.25) 127(-10.625,-0.25) 128(-10.625,-0.75) 129(-10.625,-1.25) 130(-10.625,-1.75) 131(-10.625,-2.25) 132(-10.625,-2.75) 133(-10.625,-3.25) 134(-10.625,-3.75) 135(-10.625,-4.25) 136(-10.625,-4.75) 137(-10.625,-5.25) 138(-10.625,-5.75) 139(-10.625,-6.25) 140(-10.625,-6.75) 141(-10.625,-7.25) 142(-10.625,-7.75) 143(-10.625,-8.25) 144(-10.625,-8.75)
  silkscreen extent -10,-12.27 10,10, body extent -17.11,-17.11 17.11,17.12, height 14.3
LT-MS8-8_L [mm] "SOP, 8-Leads, Body 3.1x3.1mm, Pitch 0.65mm, IPC High Density"
  oval 1.3x0.45 smd: 1(-2.1,0.975) 2(-2.1,0.325) 3(-2.1,-0.325) 4(-2.1,-0.975) 5(2.1,-0.975) 6(2.1,-0.325) 7(2.1,0.325) 8(2.1,0.975)
  silkscreen extent -2.22,-1.55 1.05,1.87, body extent -1.55,-1.55 1.55,1.55, height 1.1
LT-S6-6-TSOT-23_N [mm] "SOT23, 6-Leads, Body 2.9x1.75mm, Pitch 0.95mm, IPC Medium Density"
  rect 1.3x0.55 smd: 1(-1.2,0.95) 2(-1.2,0) 3(-1.2,-0.95) 4(1.2,-0.95) 5(1.2,0) 6(1.2,0.95)
  silkscreen extent -1.32,-1.45 0.15,1.9, body extent -0.87,-1.45 0.87,1.45, height 1
ONSC-DPAK-3-369AA-01_V [mm] "DPAK, 3-Leads, Body 6.54x6.095mm, Pitch 2.29mm"
  rect 3x1.6 smd: 1(-4.4,2.29) 3(-4.4,-2.29)
  rect 6.2x5.8 smd: 4(2.8,0)
  silkscreen extent -4.52,-3.27 -0.45,3.76, body extent -1.6,-3.27 4.49,3.27, height 2.47
ONSC-MCPH-6_V [mm] "SOT23, 6-Leads, Body 2x1.6mm, Pitch 0.65mm"
  rect 0.6x0.4 smd: 1(-1.05,0.65) 2(-1.05,0) 3(-1.05,-0.65) 4(1.05,-0.65) 5(1.05,0) 6(1.05,0.65)
  silkscreen extent -1.17,-1.03 0.35,1.52, body extent -0.8,-1 0.8,1, height 0.9
OSC_2SM_3R2x2R5 [mm] "Crystal 8M Hz 3.2x2.5mm SMD"
  rect 1.5x2.7 smd: 1(-0.95,0) 2(0.95,0)
  body extent -1.6,-1.25 1.6,1.25, height 1
PA4332 [mm] "Precision Wire Wound Inductor, 2-Leads, Body 4.10x3.65mm, IPC Medium Density"
  rect 2x3.2 smd: 1(-1.7,0) 2(1.7,0)
  silkscreen extent -2.1,-2.1 2.1,2.1, body extent -2.15,-1.83 2.15,1.83, height 2.1
PB-6X6mm-Black [mm] "Surface Mounting Type Tact Switch, 4-Leads, Body 6x6mm, Height 4.5mm Black"
  rect 2.3x1.8 smd: 1(4.325,2.25) 2(4.325,-2.25) 3(-4.325,-2.25) 4(-4.325,2.25)
  silkscreen extent -2.83,-3 2.81,3, body extent -3,-3 3,3, height 10.5
PB-6X6mm-Blue [mm] "Surface Mounting Type Tact Switch, 4-Leads, Body 6x6mm, Height 4.5mm,Blue"
  rect 2.3x1.8 smd: 1(4.325,2.25) 2(4.325,-2.25) 3(-4.325,-2.25) 4(-4.325,2.25)
  silkscreen extent -2.83,-3 2.81,3, body extent -3,-3 3,3, height 10.5
PXB15-24WD05/N [mm] "DC-DC CONV 15W DUAL 5V"
  round 3 hole 1.5: 1(-20.32,10.16) 2(-20.32,2.54) 3(-20.32,-2.54) 4(0,-10.16) 5(0,0) 6(0,10.16)
  silkscreen extent -22.86,-12.7 2.54,12.7, body extent -22.99,-12.83 2.67,12.83, height 9.9
RESC0402(1005)_L [mm] "Chip Resistor, Body 1.0x0.5mm, IPC High Density"
  rect 0.45x0.55 smd: 1(-0.45,0) 2(0.45,0)
  body extent -0.52,-0.27 0.53,0.28, height 0.4
RESC0402(1005)_M [mm] "Chip Resistor, Body 1.0x0.5mm, IPC Low Density"
  rect 0.65x0.75 smd: 1(-0.55,0) 2(0.55,0)
  body extent -0.52,-0.28 0.53,0.28, height 0.4
RESC0805(2012)_L [mm] "Chip Resistor, Body 2.0x1.3mm, IPC High Density"
  rect 0.85x1.3 smd: 1(-0.85,0) 2(0.85,0)
  silkscreen extent -0.05,-0.55 0.05,0.55, body extent -1.1,-0.67 1.1,0.68, height 0.7
RESC0805(2012)_M [mm] "Chip Resistor, Body 2.0x1.3mm, IPC Low Density"
  rect 1.25x1.5 smd: 1(-1.05,0) 2(1.05,0)
  silkscreen extent -0.05,-0.65 0.05,0.65, body extent -1.1,-0.67 1.1,0.67, height 0.7
RESC0805(2012)_N [mm] "Chip Resistor, Body 2.0x1.3mm, IPC Medium Density"
  rect 1.05x1.4 smd: 1(-0.95,0) 2(0.95,0)
  silkscreen extent -0.05,-0.6 0.05,0.6, body extent -1.1,-0.67 1.1,0.68, height 0.7
SA40012 [mm]
  rect 2.5x1.2 hole 1.016: 1(0,0)
  oval 2.5x1.2 hole 1.016: 2(0,-2.54) 3(0,-5.08) 4(0,-7.62) 5(0,-10.16) 6(0,-12.7) 7(0,-15.24) 8(0,-17.78) 9(0,-20.32) 10(0,-22.86) 11(0,-25.4) 12(0,-27.94) 13(0,-30.48) 14(0,-33.02) 15(25.4,-33.02) 16(25.4,-30.48) 17(25.4,-27.94) 18(25.4,-25.4) 19(25.4,-22.86) 20(25.4,-20.32) 21(25.4,-17.78) 22(25.4,-15.24) 23(25.4,-12.7) 24(25.4,-10.16) 25(25.4,-7.62) 26(25.4,-5.08) 27(25.4,-2.54) 28(25.4,0)
  silkscreen extent -2.54,-35.56 27.94,2.54
SB_0603 [mil] "Jumper"
  rect 32x40 smd: 1(33.75,0) 2(-33.75,0)
  Top Layer region: -26.25,0 -16.25,0 3.75,-20 -26.25,-20
  Top Layer region: -26.25,0 -16.25,0 3.75,20 -26.25,20
  Top Layer region: 23.75,20 13.75,20 -6.25,0 13.75,-20 23.75,-20
SOIC8_1R27_4R9X6 [mm] "1.2 A current limited high-side power switch with thermal shutdown"
  rect 2.2x0.6 smd: 1(-2.425,1.905) 2(-2.425,0.635) 3(-2.425,-0.635) 4(-2.425,-1.905) 5(2.425,-1.905) 6(2.425,-0.635) 7(2.425,0.635) 8(2.425,1.905)
  silkscreen extent -2.67,-2.5 0.93,3.08, body extent -2,-2.5 2,2.5, height 1.45
SOT-223 [mil] "Adjustable and fixed low drop positive voltage regulator"
  rect 80x40 smd: 1(-125,93) 2(-125,0) 3(-125,-93)
  rect 90x120 smd: 4(125,0)
  silkscreen extent -62,-149 48,141, body extent -84,-132 62,132, height 71
SSW-102-02-G-S-RA [mm]
  round 1.6 hole 0.91: 1(0,0) 2(2.54,0)
  silkscreen extent -1.78,-8.13 4.32,1.27, body extent -1.52,-8.06 4.06,0.44, height 3.21
TAN-A [mil] "TAN Capacitor"
  rect 50x60 smd: 1(55,0) 2(-55,0)
  silkscreen extent -95,-45 130,45, body extent -47,-35 47,35, height 39
TAN-B [mm] "Tan Capacitor"
  rect 1.5x2.8 smd: 1(1.55,0) 2(-1.55,0)
  silkscreen extent -2.79,-1.9 3.56,1.91, body extent -1.76,-1.54 1.7,1.54, height 1
TP [mm] "Testpoint, Surface Mounting, Circular, Pad Diameter 1mm"
  round 1 smd: 1(0,0)
TP-TH-C-152-H90 [mil] "Test Point, Through Hole, Hole Size 0.9mm, PCB Mount with Silkscreen Box"
  round 60 hole 35.43: 1(0,0)
  silkscreen extent -41,-39 156,39
"Trimmer 2.54" [mil]
  round 40 hole 20: 1(0,0) 2(100,100) 3(200,0)
  silkscreen extent -50,-125 250,158, body extent -60,-126 260,200, height 175
TSOP65P640X90-20N [mm] "TSOP, 20-Leads, Body 6.50x4.40mm, Pitch 0.65mm, IPC Medium Density"
  oval 1.4x0.35 smd: 1(-2.875,2.925) 2(-2.875,2.275) 3(-2.875,1.625) 4(-2.875,0.975) 5(-2.875,0.325) 6(-2.875,-0.325) 7(-2.875,-0.975) 8(-2.875,-1.625) 9(-2.875,-2.275) 10(-2.875,-2.925) 11(2.875,-2.925) 12(2.875,-2.275) 13(2.875,-1.625) 14(2.875,-0.975) 15(2.875,-0.325) 16(2.875,0.325) 17(2.875,0.975) 18(2.875,1.625) 19(2.875,2.275) 20(2.875,2.925)
  silkscreen extent -3,-3.3 1.85,3.77, body extent -2.25,-3.3 2.25,3.3, height 0.9
VH102K [mil] "Hermetically Sealed High Precision Resistor"
  round 60 hole 30: 1(0,0) 2(149.61,0)
  silkscreen extent -80,-50 230,50
VISH-DO-214AC-2_M [mm] "DO-214AC, 2-Leads, Body 4.5x2.79mm, IPC Low Density"
  rect 2.8x1.7 smd: 1(-1.625,0) 2(1.625,0)
  silkscreen extent -3.7,-1.4 2.25,1.4, body extent -2.25,-1.39 2.25,1.4, height 2.29
XTAL_2SM_3R2X1R5 [mm] "CRYSTAL 32.768KHZ 6PF SMD 2 pads"
  rect 1x1.8 smd: 1(-1.25,0) 2(1.25,0)
  silkscreen extent -0.28,-0.91 0.28,0.91, body extent -1.63,-0.75 1.58,0.75, height 0.89

## Part data
B41 B42: library part "SW PUSHBUTTON", "SE PUSHBUTTON"
C15 C16 C17: library part "Cap Pol1", "Polarized Capacitor (Radial)", Published=8-Jun-2000, Publisher="Altium Limited", Revision="July-2002: Re-released for DXP Platform."
  C17: Ordered by=Subcon
C18 C21 C22: library part Capacitor_ST, "Capacitor 0402 / 0603 / 0805", Revision="July-2002: Re-released for DXP Platform."
C19 C20 C49: library part "CAP SMD 0603  X5R 1µF 25V 10%", "0603  X5R 1µF", Rated voltage=25V, Temperature Max=+125°C, Temperature Min=-55°C, Tolerance=10%, Order code Farnell=1288202RL, Technology=X5R
C23 C24 C25 C26 C27 C28 C29 C31 C94: library part CMP-1036-02117-1, "CAP 150pF 16V ±10% 0805 (2012 Metric) Thickness 0.75mm SMD", Case-EIA=0805, Case-Metric=2012, Rated voltage="16 V", Tolerance=±10%, Max Thickness="0.75 mm", Technology=SMT
C30 C86 C87 C90 C91: library part CMP-1036-04795-1, Capacitance=0.1µF, Manufacturer="Murata Electronics North America", Manufacturer Part Number=GRM21BR71E104KA01L, Operating Temperature="-55°C ~ 125°C", Package / Case="0805 (2012 Metric)", Ratings=-, Supplier Part Number 1=490-1673-6-ND, Temperature Coefficient=X7R, Tolerance=±10%, Voltage - Rated=25V, Applications="General Purpose", Category=Capacitors, ComponentLink1Description=http://www.murata.com/~/media/webrenewal/support/library/catalog/products/capacitor/mlcc/c02e.ashx, ComponentLink1URL=http://www.murata.com/~/media/webrenewal/support/library/catalog/products/capacitor/mlcc/c02e.ashx, Features=-, Height - Seated (Max)=-, Lead Spacing=-, Lead Style=-, Mounting Type="Surface Mount, MLCC", Packaging=Digi-Reel®, Part Status=Active, Pricing 1="1=0.2, 10=0.145, 100=0.0683, 500=0.04788, 1000=0.03964 (USD)", RoHS="RoHS Compliant", Size / Dimension="0.079\" L x 0.049\" W (2.00mm x 1.25mm)", Stock 1=891652, Supplier 1=Digi-Key, Thickness (Max)="0.053\" (1.35mm)"
C32 C33 C37 C38 C39 C40 C93 C95: library part CMP-1036-01414-1, "CAP 33pF 25V ±2% 0805 (2012 Metric) Thickness 0.75mm SMD", Case-EIA=0805, Case-Metric=2012, Rated voltage="25 V", Tolerance=±2%, Max Thickness="0.75 mm", Technology=SMT
C34: library part CMP-1036-04795-1, Capacitance=10nF, Case/Package=0805, Case Code (Metric)=2012, Dielectric=X7R, Dielectric Material=Ceramic, Manufacturer=Kemet, Manufacturer Part Number=C0805C103K5RACAUTO, Max Operating Temperature=125°C, Min Operating Temperature=-55°C, Package Quantity=1, Supplier Part Number 1=399-6924-1-ND, Tolerance=10%, Voltage Rating=50V, Case Code (Imperial)=0805, ComponentLink1Description=https://datasheet.ciiva.com/22700/1693454-22700519.pdf, ComponentLink1URL=https://datasheet.ciiva.com/22700/1693454-22700519.pdf, ComponentLink2Description=https://datasheet.ciiva.com/7842/1693454-7842175.pdf, ComponentLink2URL=https://datasheet.ciiva.com/7842/1693454-7842175.pdf, Contact Plating=Tin, Depth=1.25mm, Height=0.78mm, Length=2mm, Mount="Surface Mount", Packaging="Tape and Reel", Pricing 1="1=0.12, 10=0.087, 100=0.041, 500=0.0287, 1000=0.0238 (USD)", Radiation Hardening=No, REACH SVHC="No SVHC", Stock 1=63236, Supplier 1=Digi-Key, Termination=SMD/SMT, Thickness=0.035inch, Voltage Rating (DC)=50V, Width=0.049inch
C35 C36: library part CMP-1036-04882-1, Capacitance=1µF, Manufacturer="Murata Electronics North America", Manufacturer Part Number=GRM21BR71E105KA99L, Operating Temperature="-55°C ~ 125°C", Package / Case="0805 (2012 Metric)", Ratings=-, Supplier Part Number 1=490-6484-6-ND, Temperature Coefficient=X7R, Tolerance=±10%, Voltage - Rated=25V, Applications="General Purpose", Category=Capacitors, ComponentLink1Description=http://www.murata.com/~/media/webrenewal/support/library/catalog/products/capacitor/mlcc/c02e.ashx, ComponentLink1URL=http://www.murata.com/~/media/webrenewal/support/library/catalog/products/capacitor/mlcc/c02e.ashx, Features=-, Height - Seated (Max)=-, Lead Spacing=-, Lead Style=-, Mounting Type="Surface Mount, MLCC", Packaging=Digi-Reel®, Part Status=Active, Pricing 1="1=0.14, 10=0.099, 100=0.0468, 500=0.0328, 1000=0.02715 (USD)", RoHS="RoHS Compliant", Size / Dimension="0.079\" L x 0.049\" W (2.00mm x 1.25mm)", Stock 1=295074, Supplier 1=Digi-Key, Thickness (Max)="0.053\" (1.35mm)"
C41 C42 C43 C44 C45 C46: library part CAP, "Capacitor"
  C41 C46: Published=8-Jun-2000, Publisher="Altium Limited", Revision="July-2002: Re-released for DXP Platform."